# KiCad board CawDrive_panel.kicad_pcb (continued)
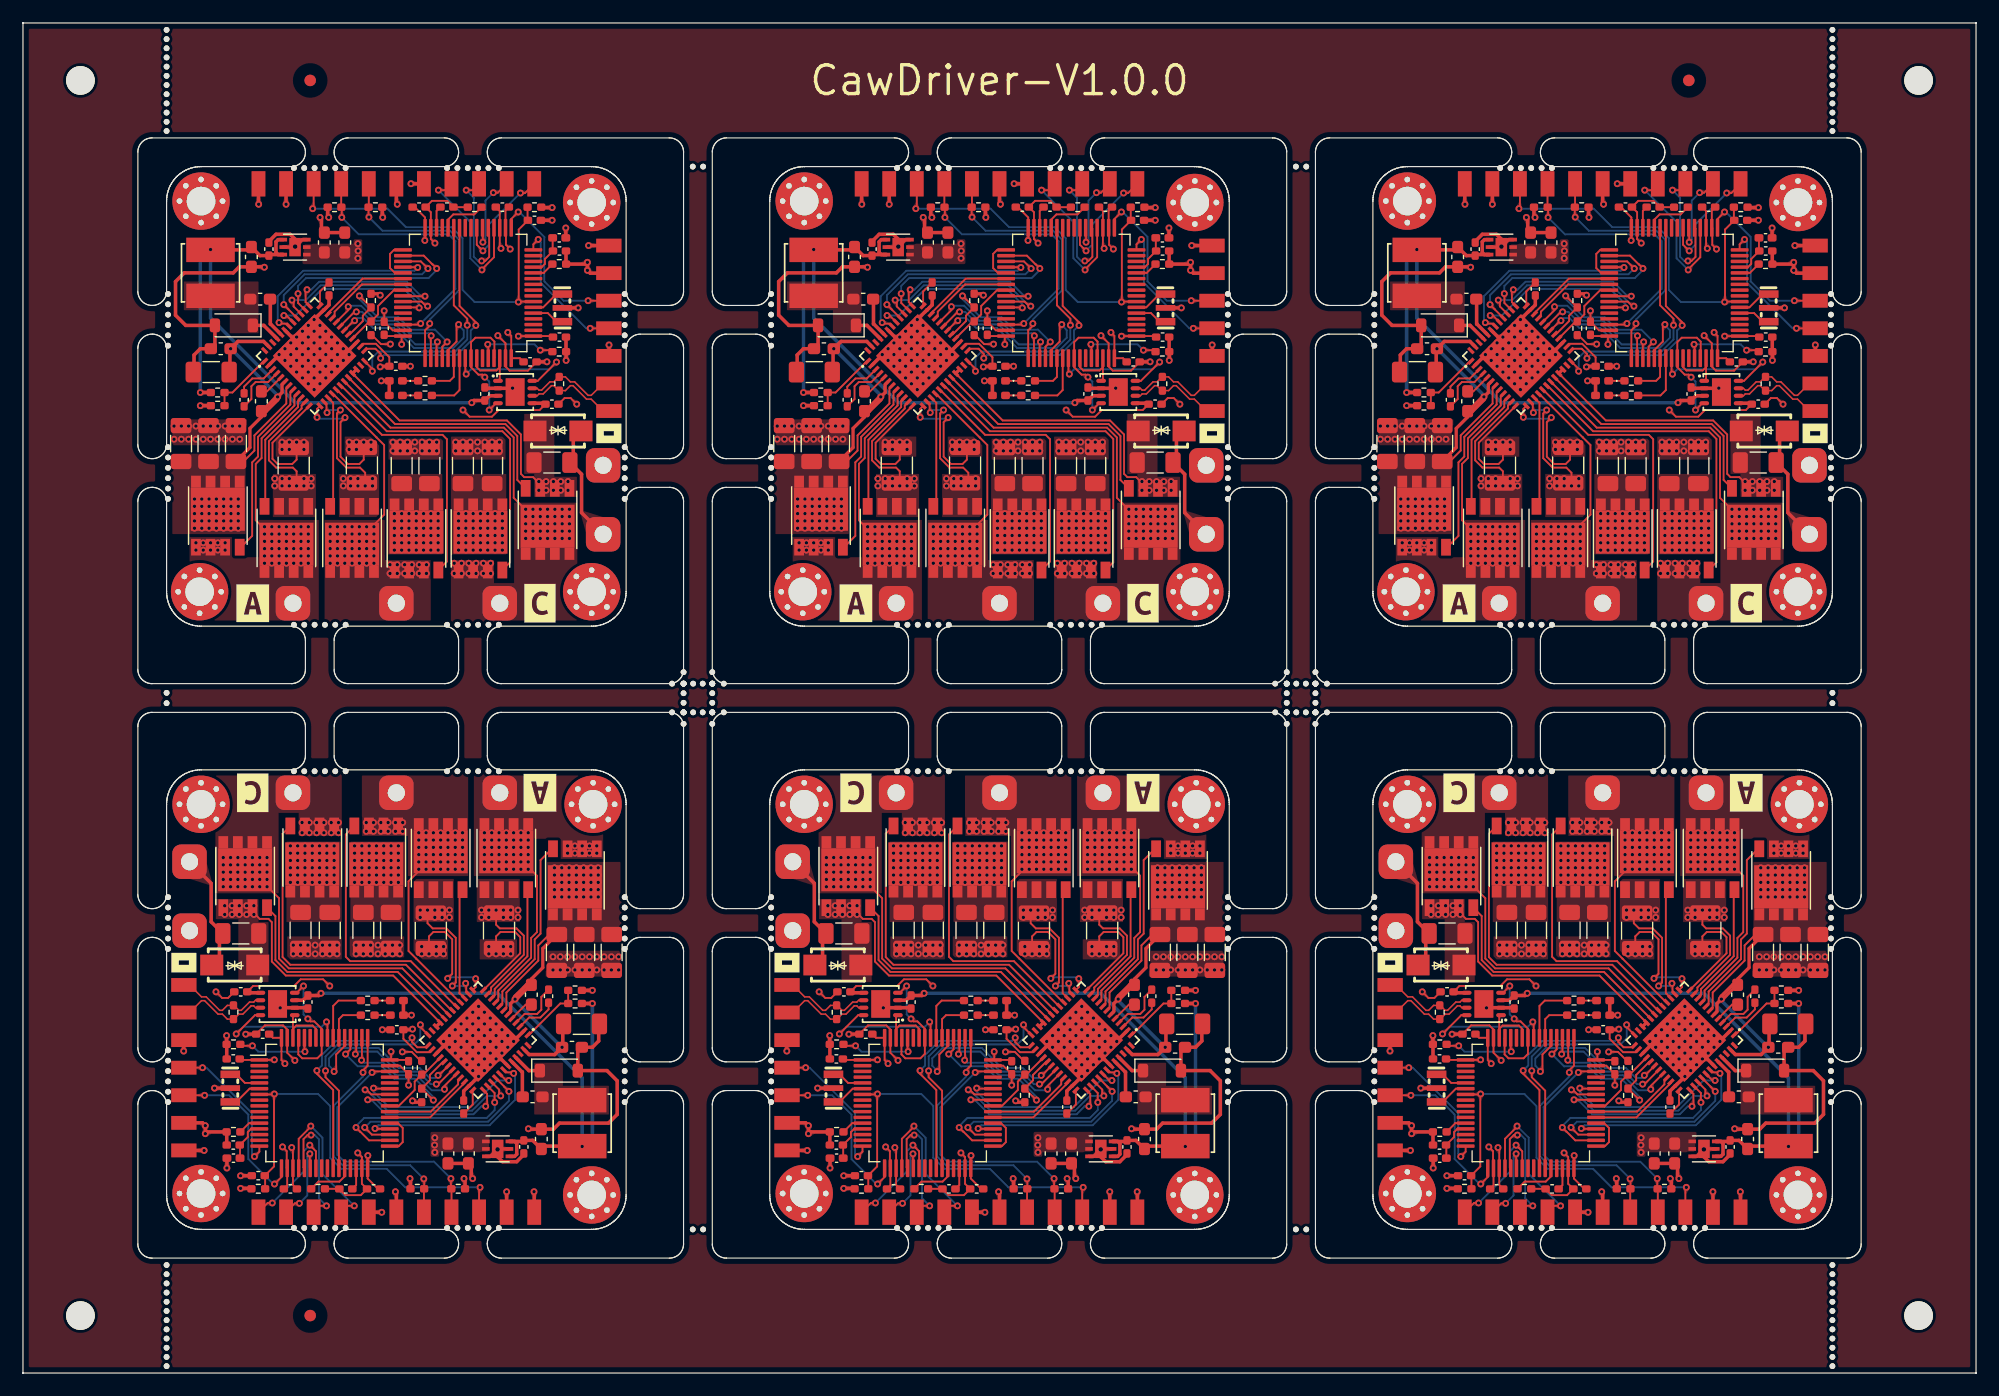
[diagram p0: board, top side]
## Routing (per net, layer and track width the routed paths; a pad name or vN(x,y) marks a point on that pad's centre or on a via; arc(x,y) is an arc through that point) (continued)
  vias: v1(92.67,47.02) v1(92.67,46.39) v1(92.67,45.75) v1(92.67,45.12) v1(92.67,44.48) v1(92.67,43.85) v1(93.3,47.02) v1(93.3,46.39) v1(93.3,45.75) v1(93.3,45.12) v1(93.3,44.48) v1(93.3,43.85) v1(93.94,47.02) v1(93.94,46.39) v1(93.94,45.75) v1(93.94,45.12) v1(93.94,44.48) v1(93.94,43.85) v1(94.57,47.02) v1(94.57,44.48) v1(94.57,43.85) v1(95.21,47.02) v1(95.21,46.39) v1(95.21,45.75) v1(95.21,44.48) v1(95.21,43.85) v1(95.84,47.02) v1(95.84,46.39) v1(95.84,45.75) v1(95.84,45.12) v1(95.84,43.85) v1(96.48,47.02) v1(96.48,46.39) v1(96.48,45.75) v1(96.48,45.12) v1(96.48,44.48) v1(99.91,45.88) v1(99.91,45.24) v1(100.54,45.88) v1(100.54,45.24) v1(101.18,45.88) v1(101.18,45.24) v1(101.81,45.88) v1(101.81,45.24) v1(102.44,45.88) v1(102.44,45.24)
Board_4-/DRV8323RSRGZR/PHASB: length 17.5
  Top w0.16: Q10#6.9 v1(88.86,45.12) 88.64,45.37 88.38,45.12 v1(88.22,45.12) v1(88.22,44.48) v1(87.59,44.48) v1(87.59,43.85) v1(86.95,43.85) 86.95,43.68 86.06,42.79 86.06,36.73 86.73,36.07 86.73,36.07 90.53,32.27 U5.16
  vias: v1(82.38,47.91) v1(82.38,47.15) v1(83.01,47.91) v1(83.01,47.15) v1(83.65,47.91) v1(83.65,47.15) v1(84.28,47.91) v1(84.28,47.15) v1(84.92,47.91) v1(84.92,47.15) v1(85.55,47.91) v1(85.55,47.15) v1(86.95,47.02) v1(86.95,46.39) v1(86.95,45.75) v1(86.95,45.12) v1(86.95,44.48) v1(87.59,47.02) v1(87.59,46.39) v1(87.59,45.75) v1(87.59,45.12) v1(88.22,47.02) v1(88.22,46.39) v1(88.22,45.75) v1(88.22,43.85) v1(88.86,47.02) v1(88.86,46.39) v1(88.86,45.75) v1(88.86,44.48) v1(88.86,43.85) v1(89.49,47.02) v1(89.49,46.39) v1(89.49,45.75) v1(89.49,45.12) v1(89.49,44.48) v1(89.49,43.85) v1(90.13,47.02) v1(90.13,46.39) v1(90.13,45.75) v1(90.13,45.12) v1(90.13,44.48) v1(90.13,43.85) v1(90.76,47.02) v1(90.76,46.39) v1(90.76,45.75) v1(90.76,45.12) v1(90.76,44.48) v1(90.76,43.85)
Board_4-/DRV8323RSRGZR/PHASC: length 26.3
  Top w0.16: U5.19 85.51,35.22 75.64,35.22 74.79,36.07 74.79,41.33 73.79,42.32 v1(73.74,42.32) 73.74,42.37 73.16,42.96 v1(73.11,42.96) 73.11,43 72.52,43.59 v1(72.47,43.59) 72.47,43.64 72.31,43.8 v1(71.84,43.59) Q12.9
  vias: v1(69.93,44.86) v1(69.93,44.23) v1(69.93,43.59) v1(69.93,42.96) v1(69.93,42.32) v1(70.57,44.86) v1(70.57,44.23) v1(70.57,43.59) v1(70.57,42.96) v1(70.57,42.32) v1(71.2,44.86) v1(71.2,44.23) v1(71.2,43.59) v1(71.2,42.96) v1(71.2,42.32) v1(71.84,44.86) v1(71.84,44.23) v1(71.84,42.96) v1(71.84,42.32) v1(72.47,44.86) v1(72.47,44.23) v1(72.47,42.96) v1(72.47,42.32) v1(73.11,44.86) v1(73.11,44.23) v1(73.11,43.59) v1(73.11,42.32) v1(73.74,44.86) v1(73.74,44.23) v1(73.74,43.59) v1(73.74,42.96) v1(76.79,47.91) v1(76.79,47.02) v1(77.43,47.91) v1(77.43,47.02) v1(78.06,47.91) v1(78.06,47.02) v1(78.7,47.91) v1(78.7,47.02) v1(79.33,47.91) v1(79.33,47.02) v1(79.97,47.91) v1(79.97,47.02)
Board_4-/DRV8323RSRGZR/SPA: length 11.2
  Top w0.16: 93.94,39.91 v1(93.68,40.29) R18#3.1 93.68,39.81 93.68,39.02 94,38.7 95.46,38.7 96.09,38.06 96.09,36.4 93.25,33.55 93.25,33.29 U5.11
  vias: v1(92.41,40.29) v1(92.41,39.66) v1(93.05,40.29) v1(93.05,39.66) v1(94.32,40.29) v1(94.32,39.66) v1(94.95,40.29) v1(94.95,39.66) v1(95.59,40.29) v1(95.59,39.66)
Board_4-/DRV8323RSRGZR/SPB: length 10.6
  Top w0.16: v1(91.03,33.92) 91.08,33.87 91.08,33.19 U5.14 ; R19#6.1 87.71,39.76 87.71,39.15 88.16,38.7 89.35,38.7 90.17,37.88 90.17,33.99 v1(89.87,33.69)
  Bottom w0.16: v1(89.87,33.69) 90.8,33.69 v1(91.03,33.92)
  vias: v1(87.08,40.29) v1(87.08,39.66) v1(87.71,40.29) v1(88.35,40.29) v1(88.35,39.66) v1(88.98,40.29) v1(88.98,39.66) v1(89.62,40.29) v1(89.62,39.66)
Board_4-/DRV8323RSRGZR/SW: length 2.6
  Top w0.305: D3#2.1 96.54,26.32 95.41,27.45 U5.45
Board_4-/DRV_CAL: length 7.8
  Top w0.16: U1#6.38 87.94,22.25 90.94,25.25 U5.34
Board_4-/DRV_ENABLE: length 7.6
  Top w0.16: U5.33 90.37,25.47 90.37,25.13 88,22.75 U1#6.39
Board_4-/DRV_FAULT: length 6.6
  Top w0.16: U5.28 87.35,25.98 R17#2.2 86.59,25.37 86.59,24.63 85.21,23.25 U1#6.40
Board_4-/DRV_STA: length 5.4
  Top w0.16: U1#6.55 79.5,31.95 79.97,32.42 R11#2.2
Board_4-/HSE_IN: length 2.8
  Top w0.16: U1#6.5 71.82,25.25 71.07,26 X1#6.1
Board_4-/HSE_OUT: length 3
  Top w0.16: X1#6.3 71.07,23.6 72.23,24.75 U1#6.6
Board_4-/MCU_STA: length 3.7
  Top w0.16: U1#6.54 80,30.8 80.35,31.15 R9#3.2
Board_4-/RESET: length 36
  Top w0.16: R10#5.2 73.58,17.15 C14#3.1 74.35,17.98 74.35,24.26 v1(74.38,24.29) 74.34,24.25 U1#6.7 ; J1#3.3 92.2,16.08 v1(92.28,16.16)
  Bottom w0.16: v1(92.28,16.16) 85.78,16.16 84.17,17.77 80.2,17.77 79.24,18.73 79.24,23.24 78.19,24.29 v1(74.38,24.29)
Board_4-/SPI1_MISO: length 7.4
  Top w0.16: v1(77.47,19.08) 77.47,17.86 U1#6.22 ; v1(76.56,14.77) 76.17,14.77 J1#3.10
  Bottom w0.16: v1(76.56,14.77) 77.25,15.46 77.25,18.86 v1(77.47,19.08)
Board_4-/SPI1_MOSI: length 10.1
  Top w0.16: v1(74.2,14.8) 73.8,14.8 J1#3.11 ; v1(77.46,19.83) 77.68,19.61 77.69,19.61 78,19.3 U1#6.23
  Bottom w0.16: v1(74.2,14.8) 76.94,17.54 76.94,19.3 v1(77.46,19.83)
Board_4-/SPI1_NSS: length 14
  Top w0.16: v1(77.55,21.49) 77.55,21.44 76.5,20.38 U1#6.20 ; v1(81.34,14.55) 80.75,14.55 J1#3.8
  Bottom w0.16: v1(77.55,21.49) 78.57,20.48 78.57,17.32 v1(81.34,14.55)
Board_4-/SPI1_SCK: length 11.6
  Top w0.16: U1#6.21 76.92,17.91 76.92,20.36 77.27,20.71 v1(77.58,20.71) ; J1#3.9 78.35,14.55 v1(78.92,14.55)
  Bottom w0.16: v1(77.58,20.71) 77.9,20.71 78.26,20.35 78.26,15.21 v1(78.92,14.55)
Board_4-/SPI3_MISO: length 15.7
  Top w0.16: v1(88.22,23.75) 88.21,23.75 R16#2.2 87.92,25.47 87.92,25.95 89.07,27.1 U5.29 ; v1(80.58,27.76) 81,28.18 U1#6.52
  Bottom w0.16: v1(80.58,27.76) 81.64,26.69 83.74,26.69 84.82,25.61 86.64,25.61 88.22,24.03 v1(88.22,23.75)
Board_4-/SPI3_MOSI: length 16.9
  Top w0.16: U5.30 88.69,25.9 v1(88.63,25.9) ; U1#6.53 80.5,28.47 79.76,27.73 79.76,26.42 v1(79.58,26.24)
  Bottom w0.16: v1(79.58,26.24) 79.58,26.31 79.14,26.75 79.14,27.38 80.05,28.29 83.47,28.29 85.21,26.55 87.02,26.55 87.89,25.69 88.41,25.69 v1(88.63,25.9)
Board_4-/SPI3_NSS: length 12.1
  Top w0.16: v1(89.19,24.69) 89.19,24.99 U5.32 ; U1#6.50 82,27.26 v1(81.97,27.22)
  Bottom w0.16: v1(81.97,27.22) 82.19,27 83.87,27 84.95,25.92 86.77,25.92 88.08,24.61 89.11,24.61 v1(89.19,24.69)
Board_4-/SPI3_SCK: length 11.7
  Top w0.16: v1(81.43,27.76) 81.5,27.83 U1#6.51 ; U5.31 89.88,26.38 88.64,25.14 v1(88.48,25.14)
  Bottom w0.16: v1(88.48,25.14) 87.99,25.14 86.9,26.23 85.08,26.23 83.34,27.98 81.65,27.98 v1(81.43,27.76)
Board_4-/SWCLK: length 23.1
  Top w0.16: v1(82.1,26.16) 82.1,26.35 82.5,26.75 U1#6.49 ; J1#3.5 87.4,16.01 R6.1 87.42,16.87 v1(87.39,16.9)
  Bottom w0.16: v1(82.1,26.16) 82.1,25.81 79.55,23.27 79.55,18.86 80.33,18.08 86.21,18.08 v1(87.39,16.9)
Board_4-/SWDIO: length 23.7
  Top w0.16: v1(89.75,16.92) 89.75,16.07 R5.1 89.8,16.02 J1#3.4 ; U1#6.46 82.98,26.25 v1(82.89,26.16)
  Bottom w0.16: v1(89.75,16.92) 88.28,18.39 80.46,18.39 79.86,18.99 79.86,23.14 v1(82.89,26.16)
Board_4-/TIM1_BKIN: length 3.8
  Top w0.16: U1#6.37 85.13,21.75 85.55,21.33 85.55,20.1 85.21,19.75 U1#6.33
Board_4-/TIM1_PWM_CH1: length 14.6
  Top w0.16: U1#6.41 83.72,23.75 83.69,23.78 v1(82.51,23.78) ; v1(92.78,23.21) 92.9,23.34 92.9,24.3 U5.37
  Bottom w0.16: v1(82.51,23.78) 82.84,23.78 84.1,22.52 91.72,22.52 92.41,23.21 v1(92.78,23.21)
Board_4-/TIM1_PWM_CH1N: length 18.5
  Top w0.16: U5.38 92.95,24.97 93.55,24.37 93.55,23.56 v1(93.56,23.56) ; U1#6.34 82.62,20.25 81.86,21.01 81.85,21.01 v1(81.49,21.37)
  Bottom w0.16: v1(93.56,23.56) 93.56,22.89 92.88,22.21 82.2,22.21 81.49,21.49 v1(81.49,21.37)
Board_4-/TIM1_PWM_CH2: length 16.9
  Top w0.16: U5.39 93.94,24.67 93.94,24.27 v1(94.08,24.12) ; v1(82.28,24.65) 82.41,24.65 82.81,24.25 U1#6.42
  Bottom w0.16: v1(82.28,24.65) 82.41,24.65 84.22,22.83 91.59,22.83 92.88,24.12 v1(94.08,24.12)
Board_4-/TIM1_PWM_CH2N: length 18.4
  Top w0.16: v1(82.25,21.37) 82.87,20.75 U1#6.35 ; v1(94.8,24.51) 94.39,24.92 94.39,24.93 U5.40
  Bottom w0.16: v1(94.8,24.51) 94.8,23.69 92.99,21.88 82.76,21.88 82.26,21.37 v1(82.25,21.37)
Board_4-/TIM1_PWM_CH3: length 16.1
  Top w0.16: v1(83.01,24.8) 83.06,24.75 U1#6.43 ; v1(94.79,25.46) 94.57,25.46 U5.41
  Bottom w0.16: v1(94.79,25.46) 93.77,25.46 91.46,23.14 84.35,23.14 83.01,24.48 v1(83.01,24.8)
Board_4-/TIM1_PWM_CH3N: length 17.9
  Top w0.16: U5.42 94.56,26.17 95.12,26.17 v1(95.21,26.08) ; v1(83.14,21.28) 83.35,21.28 83.38,21.25 U1#6.36
  Bottom w0.16: v1(83.14,21.28) 83.42,21.56 93.12,21.56 95.34,23.78 95.34,25.96 v1(95.21,26.08)
Board_4-/USART2_RX: length 15
  Top w0.16: U1#6.17 75,17.06 v1(74.39,16.45) ; v1(68.31,24.17) 68.31,24.17 J4#4.3
  Bottom w0.16: v1(74.39,16.45) 74.29,16.45 72.12,18.62 72.12,22.49 70.44,24.17 v1(68.31,24.17)
Board_4-/USART2_TX: length 12.5
  Top w0.16: v1(72.65,18.84) 73.07,19.27 U1#6.16 ; v1(68.13,26.57) J4#4.4
  Bottom w0.16: v1(72.65,18.84) 72.43,19.06 72.43,22.62 68.48,26.57 v1(68.13,26.57)
Board_4-GND: length 125.8
  Top w0.16: R18#3.2 93.68,37.22 93.68,38 94.06,38.39 95.33,38.39 95.78,37.94 95.78,36.53 U5.12 ; U5.21 84.72,34.6 75.38,34.6 74.16,35.81 74.16,39.24 73.87,39.53 73.1,39.53 72.6,40.03 v1(72.6,40.67) ; v1(91.9,34.32) 91.9,33.58 U5.13 ; C9#3.1 70.36,32.65 69.83,32.65 v1(69.3,33.18) ; R3#3.2 80.02,16.03 C1#2.2 80.58,15.48 81.9,15.48 C4#6.2 82,16.47 U1#6.31 82,18.8 v1(81.64,19.16) ; v1(89.47,34.34) 89.86,34.74 89.86,37.75 89.22,38.39 88.22,38.39 87.84,38 87.84,37.11 R19#6.2 ; v1(76.17,27.21) 75.5,27.88 U1#6.63 75.5,29.9 75.14,30.26 73.56,30.26 C6#3.2 ; v1(86.06,25.05) C5.2 85.32,26.75 U1#6.47 ; v1(75.09,19.68) 75.46,19.31 75.46,17.87 U1#6.18 75.5,16.32 C3#4.2
  Top w0.279: C32#4.2 v1(83.78,29.88) ; U5.22 U5.21
  Top w0.305: C2#6.2 70.23,28.6 R1.1 v1(70.22,29.37) ; C14#3.2 72.41,17.17 v1(71.44,17.17) ; v1(93.68,27.34) 94.1,27.34 U5.43 ; R6.2 86.23,16.88 v1(86.19,16.92) ; v1(69.17,24.8) 70.69,24.8 ; R14#2.2 v1(102.06,33.31) ; v1(94.6,15.78) J1#3.2 ; v1(95.21,28.86) 95.21,28.89 U5.2 ; U2.5 U2.7 93.82,18.82 94.24,18.39 95.47,18.39 96.09,19.01 C7#2.2 ; J1#3.7 83.72,14 v1(83.73,13.99) ; v1(91.64,16.92) 91.52,17.04 91.52,17.99 C34#5.2 C35.2 ; v1(74.89,31.78) 74.9,31.8 U3#6.2 77.22,31.8 C12#4.1 ; 102.61,30.38 102.61,28.9 102.06,28.35 C33#4.2 100.79,28 D3#2.2 103.33,26.32 104.22,25.43 104.22,22.51 103.46,21.75 99.2,21.75 98.67,21.22 C16#3.2 96.53,21.22 v1(96.49,21.26) ; v1(92.16,25.81) 91.32,24.97 U5.35 90.86,24.54 C31.2 ; U5.27 89.11,28.45 v1(89.11,28.86) ; J4#4.2 68.13,21.77 v1(68.37,21.53) v1(68.37,20.83) 68.53,20.99 R2#4.2 70.23,20.98 C8#2.2 ; v2(93.81,19.46) 93.2,18.86 U2.3 ; J4#4.5 66.49,28.96 v1(66.49,28.02) ; C6#3.2 71.9,29.5 v1(71.89,29.49) ; U5.49 v1(92.16,28.86)
  In2.Cu w0.813: 97,32.5 97,36
  Bottom w0.16: v1(91.9,34.32) 91.78,34.45 89.57,34.45 v1(89.47,34.34)
  vias: v1(70.06,40.67) v1(70.06,39.91) v1(70.69,40.67) v1(70.69,39.91) v1(71.33,40.67) v1(71.33,39.91) v1(71.97,40.67) v1(71.97,39.91) v1(72.6,39.91) v1(76.03,37.24) v1(76.03,36.48) v1(76.66,37.24) v1(76.66,36.48) v1(77.3,37.24) v1(77.3,36.48) v1(77.93,37.24) v1(77.93,36.48) v1(78.57,37.24) v1(78.57,36.48) v1(79.2,37.24) v1(79.2,36.48) v1(79.84,37.24) v1(79.84,36.48) v1(81.49,37.24) v1(81.49,36.48) v1(82.12,37.24) v1(82.12,36.48) v1(82.76,37.24) v1(82.76,36.48) v1(83.4,37.24) v1(83.4,36.48) v1(84.03,37.24) v1(84.03,36.48) v1(84.66,37.24) v1(84.66,36.48) v1(85.3,37.24) v1(85.3,36.48) v1(87.21,37.11) v1(87.21,36.48) v1(87.84,36.48) v1(88.47,37.11) v1(88.47,36.48) v1(89.11,37.11) v1(89.11,36.48) v1(89.62,29.37) v1(89.62,28.35) v1(90.13,29.88) v1(90.13,28.86) v1(90.13,27.84) v1(90.63,30.38) v1(90.63,29.37) v1(90.63,28.35) v1(90.63,27.34) v1(91.14,30.89) v1(91.14,29.88) v1(91.14,28.86) v1(91.14,27.84) v1(91.14,26.83) v1(91.65,31.4) v1(91.65,30.38) v1(91.65,29.37) v1(91.65,28.35) v1(91.65,27.34) v1(91.65,26.32) v1(92.16,31.91) v1(92.16,30.89) v1(92.16,29.88) v1(92.16,27.84) v1(92.16,26.83) v1(92.67,31.4) v1(92.67,30.38) v1(92.67,29.37) v1(92.67,28.35) v1(92.67,27.34) v1(92.67,26.32) v1(93.05,37.11) v1(93.05,36.48) v1(93.17,30.89) v1(93.17,29.88) v1(93.17,28.86) v1(93.17,27.84) v1(93.17,26.83) v1(93.68,36.48) v1(93.68,30.38) v1(93.68,29.37) v1(93.68,28.35) v1(94.19,29.88) v1(94.19,28.86) v1(94.19,27.84) v1(94.32,37.11) v1(94.32,36.48) v1(94.7,29.37) v1(94.7,28.35) v1(94.95,37.11) v1(94.95,36.48) v1(98.63,36.23) v1(98.63,35.08) v1(99.27,36.23) v1(99.27,35.08) v1(99.91,36.23) v1(99.91,35.08) v1(100.54,36.23) v1(100.54,35.08) v1(101.18,36.23) v1(101.18,35.08) v1(101.81,36.23) v1(101.81,35.08) v1(102.44,36.23) v1(102.44,35.08) v1(103.08,36.23) v1(103.08,35.08) v1(103.72,36.23) v1(103.72,35.08) v1(104.35,36.23) v1(104.35,35.08)
Board_4-Net-(D1-K): length 1.4
  Top w0.16: D1#4.1 R9#3.1
Board_4-Net-(D2-K): length 1.4
  Top w0.16: D2#4.1 R11#2.1
Board_4-Net-(U1-BOOT0): length 7.1
  Top w0.16: v1(77.04,27.97) 77,28.02 U1#6.60 ; R1.2 71.55,28.48 v1(72.47,28.48)
  Bottom w0.16: v1(72.47,28.48) 72.98,27.97 v1(77.04,27.97)
Board_4-Net-(U1-PB2): length 4.1
  Top w0.16: U1#6.28 80.5,17.12 80.04,16.66 78.22,16.66 R3#3.1
Board_4-Net-(U1-VCAP_1): length 1.9
  Top w0.16: U1#6.30 81.5,16.35 C1#2.1
Board_4-Net-(U1-VSSA): length 2
  Top w0.16: R2#4.1 72.18,21.75 U1#6.12
Board_4-Net-(U5-CPH): length 4.7
  Top w0.16: C27.2 97.62,32.73 97.62,31.62 97.25,31.25 96.15,31.25 U5.4
Board_4-Net-(U5-CPL): length 3.7
  Top w0.16: C27.1 98.25,31.65 97.54,30.94 96.55,30.94 U5.3
Board_4-Net-(U5-DVDD): length 2.4
  Top w0.16: C31.1 91.65,23.37 U5.36
Board_4-Net-(U5-VCP): length 2.2
  Top w0.16: C28#4.2 96.26,32.06 U5.5
Board_5-+3.3V: length 43
  Top w0.16: v1(137.04,27.97) 137.04,27.36 U1#5.48 138.45,27.25 C5#4.1 ; v1(128.39,19.62) 128.5,19.51 U1#5.19 128.5,16.37 C3#2.1 ; v1(131.7,33.69) 131.12,34.27 129.18,34.27 128.6,33.69 125.03,33.69 C9#6.2 ; C32#6.1 138.11,29.09 139.28,27.92 140.38,27.92 U5#4.26 ; R17#5.1 139.62,27.17 138.84,27.95 v1(138.02,27.95) ; C2#2.1 123.96,27.25 U1#5.1 126.87,27.25 v1(126.88,27.26) ; C6#2.1 126.75,29.17 U1#5.64 127.5,27.23 v1(127.8,26.93) ; C4#4.1 135.91,16.02 135,16.93 U1#5.32 135,18.91 v1(135.02,18.93)
  Top w0.279: v1(138.91,29.93) 138.86,29.88 C32#6.1 ; R16.1 139.03,23.56 v1(138.9,23.69)
  Top w0.305: R5#5.2 143.48,16.83 v1(143.39,16.92) ; L1#2.1 v1(122.75,17.84) ; v1(137.42,15.78) 137.5,15.7 J1.6 ; D1#6.2 D2#6.2 ; J1.1 149.5,15.76 v1(149.48,15.78) ; C9#6.2 124.61,33.1 U3.5 ; v1(138.82,31.15) 138.07,31.15 ; v1(120.77,19.37) 120.77,19.37 J4#6.1 ; R10#4.1 124.85,16.07 v1(123.94,16.07)
  vias: v1(140.85,20.48) v1(140.83,19.84) v1(140.85,19.21)
Board_5-+3.3VA: length 3.7
  Top w0.16: U1#5.13 124.85,21.25 124.57,20.97 124.57,20.54 C8#6.1 123.89,19.82 L1#2.2
Board_5-+5V: length 57.2
  Top w0.305: v1(153.68,19.72) L2#4.2 150.37,19.75 C16#2.1 149.37,20.25 C7#4.1 148.51,20.16 U2#4.6 147.79,20.16 147.98,19.97 147.98,19.04 147.79,18.86 U2#4.4 ; R13#3.1 v1(154.56,32.16) ; U3.3 129.39,32.45 C12.2 130.75,32.86 v1(130.94,33.05)
  Bottom w0.305: v1(154.56,32.16) 154.56,20.61 v1(153.68,19.72) 153.68,25.69 146.31,33.05 v1(130.94,33.05)
Board_5-+36V: length 42.7
  Top w0.16: U5#4.7 147.08,31.8 147.08,33.12 149.85,35.89 149.85,37.21 150.81,38.17 C20.1 ; 151.47,38.55 150.8,38.55
  Top w0.279: U5#4.6 147.45,31.46 147.45,32.16 v1(147.83,32.54) 147.96,32.54 149.2,33.79 C28#3.1 149.25,34.29 150.25,35.29 150.25,36.95 C20.1
  Top w0.305: 151.99,30.38 151.99,28.41 v1(151.92,28.35) 151.29,27.72 149.05,27.72 U5#4.47 ; TV1#3.1 122.1,36.18 122.1,37.96 C29#2.1 121.38,39.27 121.38,42.62 H9#2.1 ; v1(147.83,32.54) 147.83,32.8 148.82,33.79 149.2,33.79
  Bottom w0.305: v1(151.92,28.35) 151.9,28.35 147.83,32.42 v1(147.83,32.54)
  vias: v1(128.28,45.88) v1(128.28,45.24) v1(128.28,44.61) v1(128.28,43.97) v1(128.28,43.34) v1(128.28,42.7) v1(128.91,45.88) v1(128.91,45.24) v1(128.91,44.61) v1(128.91,43.97) v1(128.91,43.34) v1(128.91,42.7) v1(129.54,45.88) v1(129.54,45.24) v1(129.54,44.61) v1(129.54,43.97) v1(129.54,43.34) v1(129.54,42.7) v1(130.18,45.88) v1(130.18,45.24) v1(130.18,44.61) v1(130.18,43.97) v1(130.18,43.34) v1(130.18,42.7) v1(130.81,45.88) v1(130.81,45.24) v1(130.81,44.61) v1(130.81,43.97) v1(130.81,43.34) v1(130.81,42.7) v1(131.45,45.88) v1(131.45,45.24) v1(131.45,44.61) v1(131.45,43.97) v1(131.45,43.34) v1(131.45,42.7) v1(132.09,45.88) v1(132.09,45.24) v1(132.09,44.61) v1(132.09,43.97) v1(132.09,43.34) v1(132.09,42.7) v1(133.86,45.88) v1(133.86,45.24) v1(133.86,44.61) v1(133.86,43.97) v1(133.86,43.34) v1(133.86,42.7) v1(134.5,45.88) v1(134.5,45.24) v1(134.5,44.61) v1(134.5,43.97) v1(134.5,43.34) v1(134.5,42.7) v1(135.13,45.88) v1(135.13,45.24) v1(135.13,44.61) v1(135.13,43.97) v1(135.13,43.34) v1(135.13,42.7) v1(135.77,45.88) v1(135.77,45.24) v1(135.77,44.61) v1(135.77,43.97) v1(135.77,43.34) v1(135.77,42.7) v1(136.4,45.88) v1(136.4,45.24) v1(136.4,44.61) v1(136.4,43.97) v1(136.4,43.34) v1(136.4,42.7) v1(137.04,45.88) v1(137.04,45.24) v1(137.04,44.61) v1(137.04,43.97) v1(137.04,43.34) v1(137.04,42.7) v1(137.67,45.88) v1(137.67,45.24) v1(137.67,44.61) v1(137.67,43.97) v1(137.67,43.34) v1(137.67,42.7) v1(151.26,43.97) v1(151.26,43.34) v1(151.26,42.7) v1(151.26,42.07) v1(151.26,41.43) v1(151.9,43.97) v1(151.9,43.34) v1(151.9,42.7) v1(151.9,42.07) v1(151.9,41.43) v1(152.53,43.97) v1(152.53,43.34) v1(152.53,42.7) v1(152.53,42.07) v1(152.53,41.43) v1(153.17,43.97) v1(153.17,43.34) v1(153.17,42.7) v1(153.17,42.07) v1(153.17,41.43) v1(153.8,43.97) v1(153.8,43.34) v1(153.8,42.7) v1(153.8,42.07) v1(153.8,41.43) v1(154.44,43.97) v1(154.44,43.34) v1(154.44,42.7) v1(154.44,42.07) v1(154.44,41.43) v1(155.07,43.97) v1(155.07,43.34) v1(155.07,42.7) v1(155.07,42.07) v1(155.07,41.43)
Board_5-/ADC1_IN8: length 21.1
  Top w0.16: U1#5.26 132,24.63 130.58,26.05 v1(130.58,26.32) ; U5#4.25 140.1,28.35 139.32,28.35 138.87,28.81 v1(138.87,29.18)
  Bottom w0.16: v1(130.58,26.32) 131.02,26.76 131.02,27.68 132.25,28.91 138.6,28.91 v1(138.87,29.18)
Board_5-/ADC1_IN9: length 21.5
  Top w0.16: v1(131.33,26.3) 131.33,25.74 132.5,24.57 U1#5.27 ; U5#4.24 139.59,30.11 v1(139.59,30.31)
  Bottom w0.16: v1(139.59,30.31) 139.59,29.13 139.06,28.6 132.38,28.6 131.33,27.55 v1(131.33,26.3)
Board_5-/CAN_N: length 8.3
  Top w0.129: U3.6 125.25,32.45 125.09,32.29 124.72,32.29 124,31.57 123.79,31.57 123.36,32 R8#4.1 122.79,32 122.35,31.57 122.12,31.57 120.95,32.74 120.54,32.74 119.5,33.77 J4#6.7
Board_5-/CAN_P: length 8.3
  Top w0.129: J4#6.6 119.5,31.37 120.54,32.41 120.81,32.41 121.98,31.23 122.35,31.23 122.79,30.8 R8#4.2 123.36,30.8 123.79,31.23 124.14,31.23 124.86,31.95 125.09,31.95 125.25,31.8 U3.7
Board_5-/CAN_RX: length 11.6
  Top w0.16: v1(129.42,33.69) 128.83,33.1 U3.4 ; U1#5.61 128.96,29.14 128.96,27.73 129.3,27.39 130.62,27.39 131,27.78 U1#5.57 131,29.96 130.36,30.61 130.02,30.61 v1(129.8,30.83)
  Bottom w0.16: v1(129.42,33.69) 129.42,31.21 v1(129.8,30.83)
Board_5-/CAN_STB: length 12.5
  Top w0.16: v1(123.56,29.51) 125.2,31.15 U3.8 ; U1#5.56 131.5,30.48 v1(131.42,30.56)
  Bottom w0.16: v1(131.42,30.56) 131,30.14 124.19,30.14 v1(123.56,29.51)
Board_5-/CAN_TX: length 5.8
  Top w0.16: U3.1 128.5,30.99 U1#5.62 128.5,29.95 128.79,30.25 130.21,30.25 130.5,29.95 U1#5.58
Board_5-/DRV8323RSRGZR/CB: length 3.5
  Top w0.305: U5#4.44 148.45,26.19 148.47,26.19 148.47,24.06 C15#4.1
Board_5-/DRV8323RSRGZR/FB: length 5.8
  Top w0.16: R14#3.1 R13#3.2 151.77,32.16 149.05,29.44 U5#4.1
Board_5-/DRV8323RSRGZR/GHA: length 15.7
  Top w0.16: Q7#2.4 151.03,45.62 150.05,44.64 150.05,38.24 149.54,37.73 149.54,36.02 146.73,33.21 146.73,32.15 U5#4.8
Board_5-/DRV8323RSRGZR/GHB: length 23.1
  Top w0.16: U5#4.17 142.69,31.91 138.76,35.84 133.48,35.84 133.1,36.23 133.1,46.87 Q9#6.4
Board_5-/DRV8323RSRGZR/GHC: length 28.4
  Top w0.16: U5#4.18 142.31,31.56 138.33,35.53 128.27,35.53 127.6,36.2 127.6,46.93 Q11#2.4
Board_5-/DRV8323RSRGZR/GLA: length 10.8
  Top w0.16: U5#4.10 146.06,32.9 146.06,33.42 148.91,36.27 148.91,42 Q8#2.4
Board_5-/DRV8323RSRGZR/GLB: length 9.7
  Top w0.16: U5#4.15 143,33.06 143,41.81 Q10#2.4
Board_5-/DRV8323RSRGZR/GLC: length 21.7
  Top w0.16: Q12#2.4 126.97,39.77 126.97,35.94 128.01,34.91 137.62,34.91 U5#4.20
Board_5-/DRV8323RSRGZR/PHASA: length 17.5
  Top w0.16: 149.17,43.85 149.74,43.28 149.74,38.37 149.23,37.86 149.23,36.15 146.37,33.29 146.37,32.5 U5#4.9 ; 149.04,43.85 v1(148.98,43.85) 148.98,43.92 148.41,44.48 v1(148.34,44.48) 148.34,44.55 147.78,45.12 v1(147.71,45.12) 147.71,45.19 147.52,45.37 v1(147.07,45.12) 146.94,45.37 ; 147.2,46.11 v1(147.07,46.39) v1(147.07,45.75) 147.2,45.69
  vias: v1(145.17,47.02) v1(145.17,46.39) v1(145.17,45.75) v1(145.17,45.12) v1(145.17,44.48) v1(145.17,43.85) v1(145.8,47.02) v1(145.8,46.39) v1(145.8,45.75) v1(145.8,45.12) v1(145.8,44.48) v1(145.8,43.85) v1(146.44,47.02) v1(146.44,46.39) v1(146.44,45.75) v1(146.44,45.12) v1(146.44,44.48) v1(146.44,43.85) v1(147.07,47.02) v1(147.07,44.48) v1(147.07,43.85) v1(147.71,47.02) v1(147.71,46.39) v1(147.71,45.75) v1(147.71,44.48) v1(147.71,43.85) v1(148.34,47.02) v1(148.34,46.39) v1(148.34,45.75) v1(148.34,45.12) v1(148.34,43.85) v1(148.98,47.02) v1(148.98,46.39) v1(148.98,45.75) v1(148.98,45.12) v1(148.98,44.48) v1(152.41,45.88) v1(152.41,45.24) v1(153.04,45.88) v1(153.04,45.24) v1(153.68,45.88) v1(153.68,45.24) v1(154.31,45.88) v1(154.31,45.24) v1(154.94,45.88) v1(154.94,45.24)
Board_5-/DRV8323RSRGZR/PHASB: length 17.5
  Top w0.16: Q10#2.9 v1(141.36,45.12) 141.14,45.37 140.88,45.12 v1(140.72,45.12) v1(140.72,44.48) v1(140.09,44.48) v1(140.09,43.85) v1(139.45,43.85) 139.45,43.68 138.56,42.79 138.56,36.73 139.23,36.07 139.23,36.07 143.03,32.27 U5#4.16
  vias: v1(134.88,47.91) v1(134.88,47.15) v1(135.51,47.91) v1(135.51,47.15) v1(136.15,47.91) v1(136.15,47.15) v1(136.78,47.91) v1(136.78,47.15) v1(137.42,47.91) v1(137.42,47.15) v1(138.05,47.91) v1(138.05,47.15) v1(139.45,47.02) v1(139.45,46.39) v1(139.45,45.75) v1(139.45,45.12) v1(139.45,44.48) v1(140.09,47.02) v1(140.09,46.39) v1(140.09,45.75) v1(140.09,45.12) v1(140.72,47.02) v1(140.72,46.39) v1(140.72,45.75) v1(140.72,43.85) v1(141.36,47.02) v1(141.36,46.39) v1(141.36,45.75) v1(141.36,44.48) v1(141.36,43.85) v1(141.99,47.02) v1(141.99,46.39) v1(141.99,45.75) v1(141.99,45.12) v1(141.99,44.48) v1(141.99,43.85) v1(142.63,47.02) v1(142.63,46.39) v1(142.63,45.75) v1(142.63,45.12) v1(142.63,44.48) v1(142.63,43.85) v1(143.26,47.02) v1(143.26,46.39) v1(143.26,45.75) v1(143.26,45.12) v1(143.26,44.48) v1(143.26,43.85)
Board_5-/DRV8323RSRGZR/PHASC: length 26.3
  Top w0.16: Q12#2.9 v1(124.34,43.59) 124.81,43.8 124.97,43.64 v1(124.97,43.59) 125.02,43.59 125.61,43 v1(125.61,42.96) 125.66,42.96 126.24,42.37 v1(126.24,42.32) 126.29,42.32 127.29,41.33 127.29,36.07 128.14,35.22 138.01,35.22 U5#4.19
  vias: v1(122.43,44.86) v1(122.43,44.23) v1(122.43,43.59) v1(122.43,42.96) v1(122.43,42.32) v1(123.07,44.86) v1(123.07,44.23) v1(123.07,43.59) v1(123.07,42.96) v1(123.07,42.32) v1(123.7,44.86) v1(123.7,44.23) v1(123.7,43.59) v1(123.7,42.96) v1(123.7,42.32) v1(124.34,44.86) v1(124.34,44.23) v1(124.34,42.96) v1(124.34,42.32) v1(124.97,44.86) v1(124.97,44.23) v1(124.97,42.96) v1(124.97,42.32) v1(125.61,44.86) v1(125.61,44.23) v1(125.61,43.59) v1(125.61,42.32) v1(126.24,44.86) v1(126.24,44.23) v1(126.24,43.59) v1(126.24,42.96) v1(129.29,47.91) v1(129.29,47.02) v1(129.93,47.91) v1(129.93,47.02) v1(130.56,47.91) v1(130.56,47.02) v1(131.2,47.91) v1(131.2,47.02) v1(131.83,47.91) v1(131.83,47.02) v1(132.47,47.91) v1(132.47,47.02)
Board_5-/DRV8323RSRGZR/SPA: length 11.2
  Top w0.16: 146.44,39.91 v1(146.18,40.29) R18#2.1 146.18,39.81 146.18,39.02 146.5,38.7 147.96,38.7 148.59,38.06 148.59,36.4 145.75,33.55 145.75,33.29 U5#4.11
  vias: v1(144.91,40.29) v1(144.91,39.66) v1(145.55,40.29) v1(145.55,39.66) v1(146.82,40.29) v1(146.82,39.66) v1(147.45,40.29) v1(147.45,39.66) v1(148.09,40.29) v1(148.09,39.66)
Board_5-/DRV8323RSRGZR/SPB: length 10.6
  Top w0.16: U5#4.14 143.58,33.19 143.58,33.87 v1(143.53,33.92) ; v1(142.37,33.69) 142.67,33.99 142.67,37.88 141.85,38.7 140.66,38.7 140.21,39.15 140.21,39.76 R19#5.1
  Bottom w0.16: v1(143.53,33.92) 143.3,33.69 v1(142.37,33.69)
  vias: v1(139.58,40.29) v1(139.58,39.66) v1(140.21,40.29) v1(140.85,40.29) v1(140.85,39.66) v1(141.48,40.29) v1(141.48,39.66) v1(142.12,40.29) v1(142.12,39.66)
Board_5-/DRV8323RSRGZR/SW: length 2.6
  Top w0.305: D3#3.1 149.04,26.32 147.91,27.45 U5#4.45
Board_5-/DRV_CAL: length 7.8
  Top w0.16: U5#4.34 143.44,25.25 140.44,22.25 U1#5.38
Board_5-/DRV_ENABLE: length 7.6
  Top w0.16: U1#5.39 140.5,22.75 142.87,25.13 142.87,25.47 U5#4.33
Board_5-/DRV_FAULT: length 6.6
  Top w0.16: U5#4.28 139.85,25.98 R17#5.2 139.09,25.37 139.09,24.63 137.71,23.25 U1#5.40
Board_5-/DRV_STA: length 5.4
  Top w0.16: U1#5.55 132,31.95 132.47,32.42 R11#4.2
Board_5-/HSE_IN: length 2.8
  Top w0.16: X1#2.1 123.57,26 124.32,25.25 U1#5.5
Board_5-/HSE_OUT: length 3
  Top w0.16: U1#5.6 124.73,24.75 123.57,23.6 X1#2.3
Board_5-/MCU_STA: length 3.7
  Top w0.16: U1#5.54 132.5,30.8 132.85,31.15 R9#4.2
Board_5-/RESET: length 36
  Top w0.16: v1(144.78,16.16) 144.7,16.08 J1.3 ; U1#5.7 126.84,24.25 v1(126.88,24.29) 126.85,24.26 126.85,17.98 C14#5.1 126.08,17.15 R10#4.2
  Bottom w0.16: v1(126.88,24.29) 130.69,24.29 131.74,23.24 131.74,18.73 132.7,17.77 136.67,17.77 138.28,16.16 v1(144.78,16.16)
Board_5-/SPI1_MISO: length 7.4
  Top w0.16: v1(129.97,19.08) 129.97,17.86 U1#5.22 ; v1(129.06,14.77) 128.67,14.77 J1.10
  Bottom w0.16: v1(129.06,14.77) 129.75,15.46 129.75,18.86 v1(129.97,19.08)
